# Allegro board MB1225_REVB_160222_1K.brd (continued)
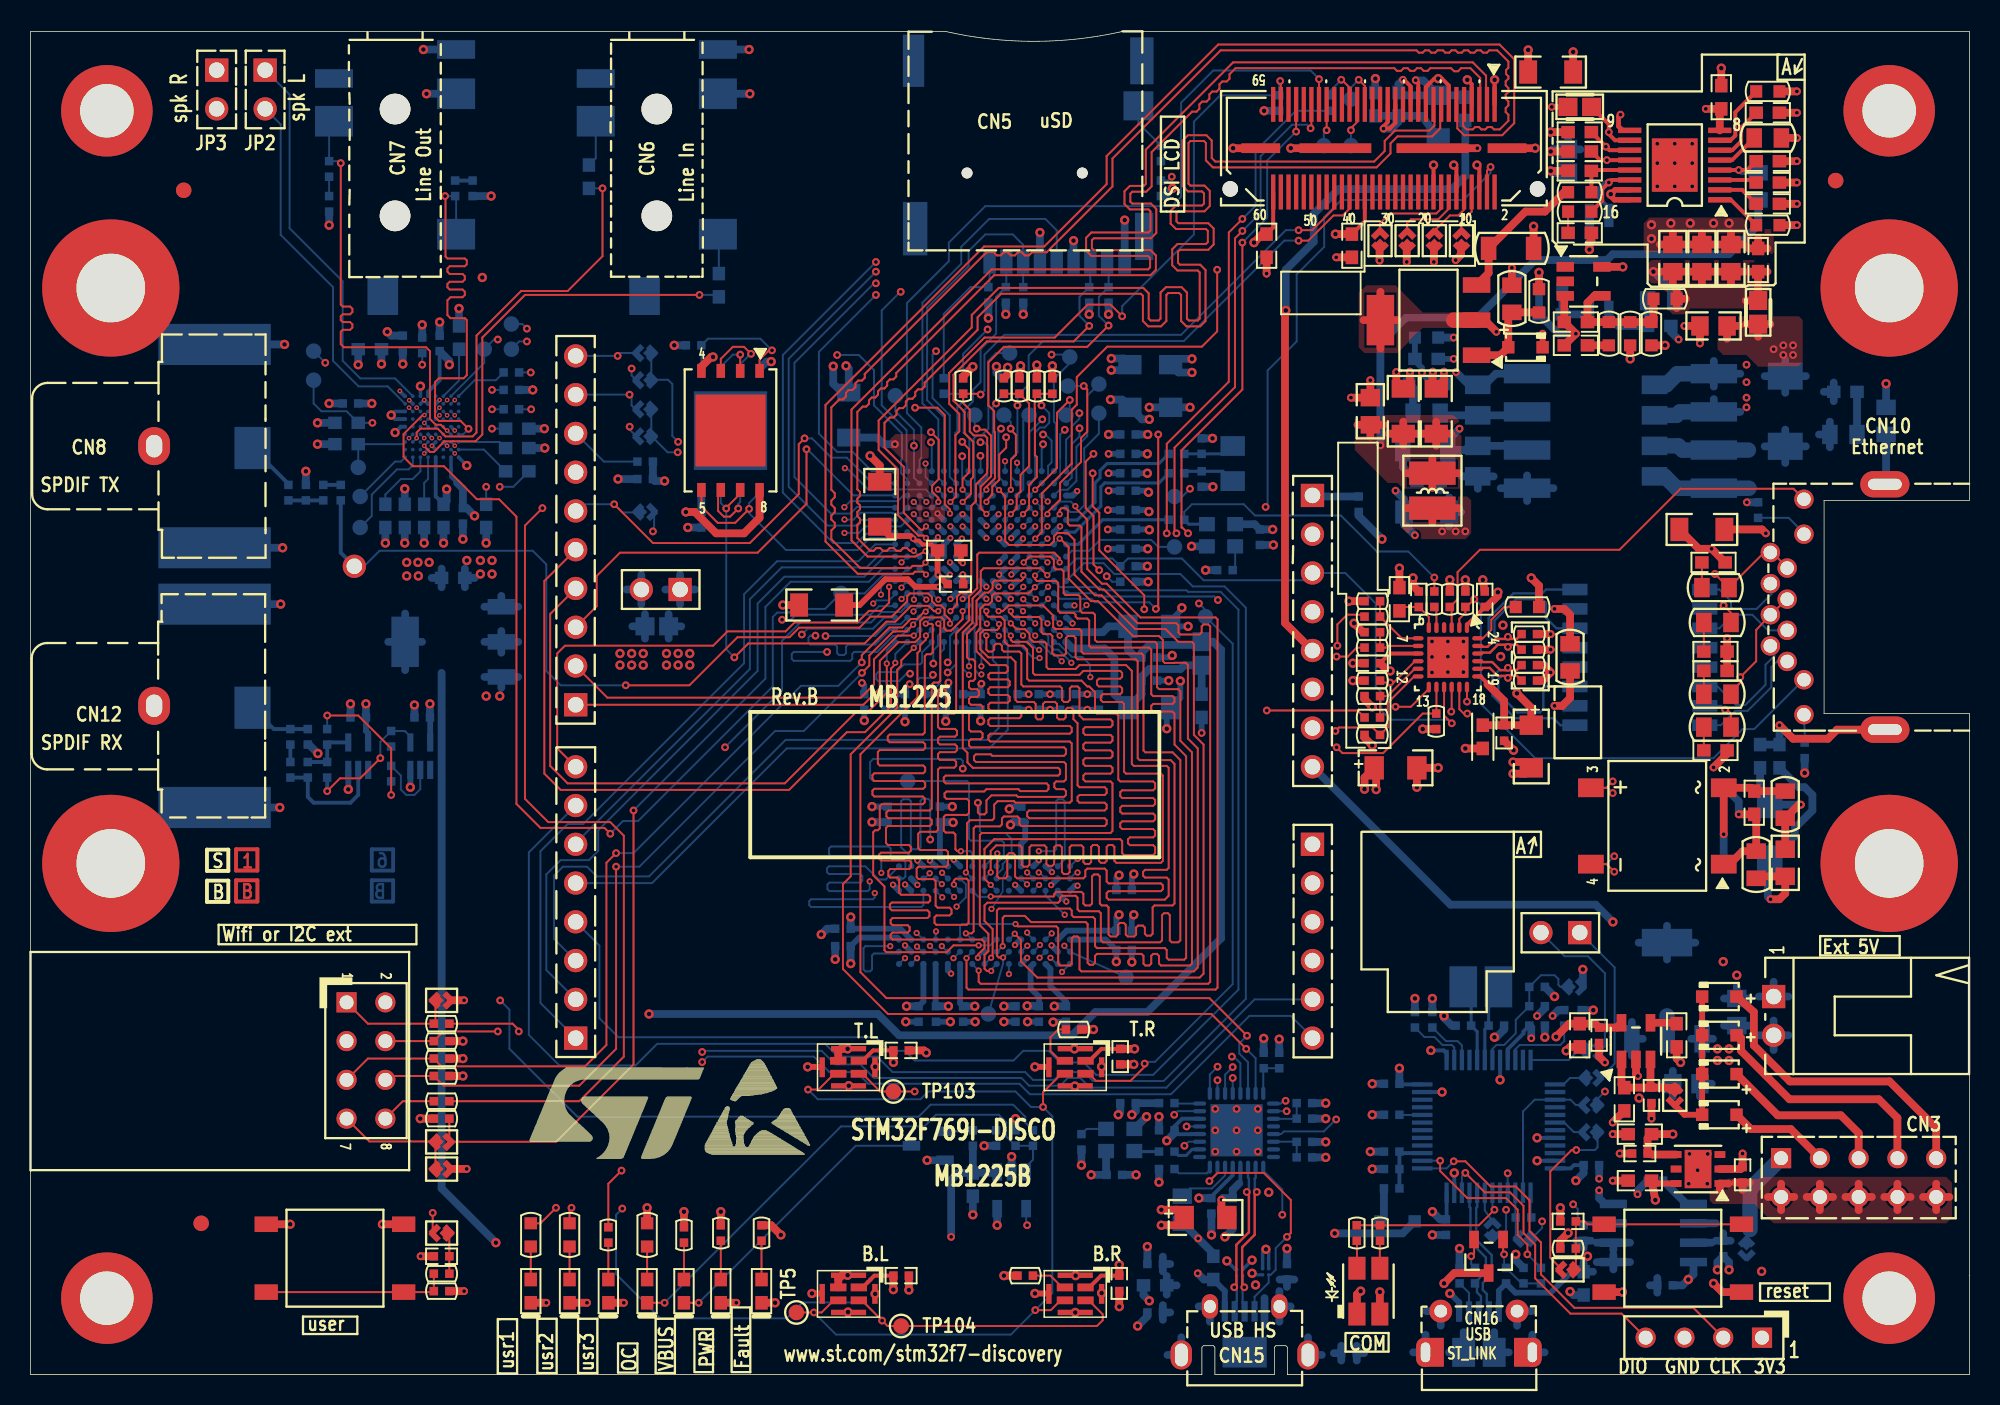
[diagram p0: board, top side]
## Routing (per net, layer and track width the routed paths; a pad name or vN(x,y) marks a point on that pad's centre or on a via; arc(x,y) is an arc through that point) (continued)
  BOTTOM w0.102: v3(62.61,56.39) 63.02,56.79 U13.D7
  BOTTOM w0.127: v2(61.98,61.98) 61.85,62.1 TP18.1
PK5: length 5.9
  TOP w0.102: 64.33,60.05 64.21,59.92 v3(64.21,57.97)
  TOP w0.127: 64.33,60.05 64.54,60.26 64.54,61.57 64.2,61.91 v2(64.2,61.98)
  BOTTOM w0.127: TP17.1 64.2,62.42 v2(64.2,61.98) ; U13.C6 v3(64.21,57.97)
PK6: length 5.6
  BOTTOM w0.127: TP16.1 65.02,62.48 65.02,57.99 U13.C5
PK7: length 8.5
  TOP w0.127: v2(68.07,63.86) 67.23,63.02 67.23,59.4 v3(65.81,57.97)
  BOTTOM w0.102: U13.C4 v3(65.81,57.97)
  BOTTOM w0.127: TP15.1 68.07,63.12 v2(68.07,63.86)
POE1: length 29.7
  TOP w0.305: v2(104.14,82.55) 104.01,82.42 104.01,81.79 104.28,81.52 U1.9
  TOP w0.508: v2(90.35,65.71) 90.35,65.02 C70.1 89.46,65.05 v2(89.46,65.68) ; v2(92.58,65.71) 92.58,65.1 C75.1 91.85,64.82 v2(91.85,65.71) ; v1(102.11,73.71) 102.11,74.17 102.23,74.3 C12.1 ; v2(87.76,65.15) C81.1 v2(86.49,64.01) ; R12.1 v1(98.81,72.21) ; R9.1 v1(98.45,75.23) ; C3.1 v1(101.04,86.66) ; C4.2 v1(110.74,85.6) ; C9.1 v1(99.57,78.87)
  BOTTOM w0.381: C24.1 v2(93.22,66.55)
  BOTTOM w0.508: v2(89.41,57.91) 89.97,57.35 C20.1 89.97,55.7 v2(90.68,54.99) ; v1(99.57,78.87) 99.71,78.73 R74.1 ; T2.1 95.98,65.57 95.25,64.85 T100.4 94.21,64.85 v2(93.37,65.68) ; v1(102.11,73.71) U10.3
POE2: length 5.8
  BOTTOM w0.508: R24.2 92.47,62.85 T100.3 97.8,62.85 T2.2
POE3: length 24.1
  TOP w0.508: 88.42,67.23 T1.4 ; T1.4 88.42,70.94 ; T1.4 89.52,69.09 ; T1.4 87.31,69.09 ; T1.2 95.25,69.09 v2(96.01,68.33)
  TOP w1.016: 93.22,69.09 T1.2
  L4_SIG w0.508: v2(93.6,61.98) 94.61,61.98 96.01,63.37 v2(96.01,68.33)
  BOTTOM w0.508: T2.3 97.75,60.85 T100.2 94.25,60.85 93.98,60.58 R23.2 92.84,61.21 v2(93.6,61.98)
POE4: length 17.8
  TOP w0.508: 90.09,56.77 L5.1 ; L5.1 91.82,55.8 ; L5.1 93.55,56.77
  BOTTOM w0.508: 92.33,57.94 C22.2 ; C22.2 92.33,59.16 ; C22.2 92.98,58.55 ; 92.13,56.52 C20.2 ; C20.2 93.7,56.52 ; C20.2 92.91,57.48 ; C20.2 92.91,55.55 ; 98.02,57.23 T2.4 ; T2.4 99.75,58.07 ; T2.4 96.3,58.07 ; T2.4 98.02,58.91 ; T100.1 95.84,58.85 ; T100.1 93.75,58.85 ; T100.1 94.79,58.04
  vias: v2(92.46,55.24) v2(93.34,55.24) v2(93.98,55.24)
POE5: length 20
  BOTTOM w0.508: 114.94,59.73 D2.1 ; D2.1 116.28,60.82 ; D2.1 113.59,60.82 ; D2.1 114.94,61.91 ; 117.86,60.76 R22.1 ; R22.1 117.14,61.59 ; R22.1 117.86,62.43
  BOTTOM w1.016: 112.56,58.07 T2.5 107.82,58.07 107.05,58.85 T100.8 ; T100.7 107.93,60.85 108.21,60.57 T2.6 112.52,60.57
POE7: length 344.3
  TOP w0.254: CN1.7 94.4,84.55 v1(94.11,84.84) ; v1(93.22,79.25) 93.4,79.07 CN1.12 ; CN1.18 v1(91.9,79.25) ; v1(94.74,79.25) 94.9,79.09 CN1.6 ; CN1.13 92.9,84.46 92.45,84.91 v1(92.2,84.91) 91.95,84.91 91.66,84.62 91.65,84.62 91.5,84.47 91.5,84.47 91.4,84.36 CN1.19
  TOP w0.279: v1(95.9,84.84) CN1.1
  TOP w0.381: U8.5 v1(51.18,5.31) ; C25.1 60.93,53.29 v3(61.06,53.16) ; U9.5 v1(65.79,5.31) ; U5.5 v1(50.9,20.16) ; U6.5 v1(65.79,20.16) ; v3(61.06,52.43) 61.09,52.4 C27.1
  TOP w0.508: U250.4 43.94,66.04 44.58,66.67 v1(44.7,66.67) ; SB2.2 v2(91.92,72.9) ; v1(104.78,66.55) R14.1 ; LD2.2 v2(36.45,4.7) ; C14.1 110.31,74.04 ; C14.1 108.64,74.04 ; C14.1 109.47,74.82 ; CN1.62 v2(94.77,80.35) ; C29.1 90.55,51.69 v1(90.55,52.2) ; C13.1 108.41,74.04 ; C13.1 106.73,74.04 ; C13.1 107.57,74.82 ; R21.1 v1(66.93,66.09) ; U5.2 52.9,21.15 53.09,21.34 v1(53.52,21.34) ; B2.2 110.81,5.4 v1(110.24,5.97) ; LD1.2 v2(33.78,4.7) ; v1(98.3,52.2) 98.81,51.69 R31.2 ; C51.1 v2(103.63,12.7) ; C55.2 v1(57.53,5.54) ; R18.1 64,65.53 v1(64,65.99) ; v1(58.67,21.08) 58.52,21.23 C44.2 ; C35.1 97.14,40.91 v1(97.14,40.9) ; R28.1 v1(92.96,52.07) ; CN1.64 v1(78.77,80.35) ; SB8.1 v2(28.57,13.47) ; v2(103.12,20.45) 102.74,20.83 102.74,21.72 ; C56.2 v1(71.31,4.45) ; R15.1 v1(107.06,67.44) ; C3.2 v1(98.09,86.79) ; v1(89.66,52.83) C28.1 ; C30.1 v1(95.12,52.07) ; v1(87.12,5.46) 87.1,5.46 86.88,5.24 LD8.1 ; R40.1 v1(86.61,45.47) ; SB5.1 v2(28.4,24.52) ; LD6.2 v2(46.23,4.7) ; U8.2 52.9,6.24 53.16,6.5 v1(53.52,6.5) ; C48.1 v2(103.63,15.75) ; CN1.63 v1(82.55,80.35) ; C15.1 111.38,74.82 ; C15.1 110.54,74.04 ; C15.1 112.22,74.04 ; v1(97.1,40.13) 97.92,40.13 C36.2 97.92,39.37 v1(97.1,39.37) ; C16.1 113.77,73.79 ; C16.1 113.16,74.44 ; C16.1 112.55,73.79 ; SB1.2 93.7,73.38 v2(93.34,73.03) ; CN1.61 v1(98.55,80.35) ; v1(100.58,21.21) 100.84,21.46 C41.2 ; v1(92.2,39.75) C38.2 v1(90.81,38.48) ; v2(112.14,14.48) C50.1 112.01,13.46 U7.2 ; R70.1 v2(28.4,5.46) ; R29.1 v1(93.98,52.07) ; v2(85.52,73.2) C1.1 ; v2(109.35,67.56) C18.1 v2(108.33,68.71) ; v1(74.07,10.79) 75.06,10.79 C52.1 75.06,9.78 v1(74.07,9.78) ; v2(105.28,19.56) 105.16,19.68 U4.2 ; C46.1 v2(106.17,16.76) ; C43.1 107.82,20.7 v1(108.08,20.45) ; C49.1 v2(104.09,14.48) ; C54.1 v2(25.55,7.75) ; B2.3 v1(104.27,5.4) ; C23.1 55.63,59.56 v1(54.99,60.2) ; SB4.2 v2(88.36,72.99) ; LD3.2 v2(38.86,4.7) ; C2.1 v2(80.96,72.14) ; C31.1 v1(49.28,50.42) ; U2.5 v1(104.29,72.58) ; C53.1 v1(100.2,10.92) ; SB3.2 v2(90.14,72.9) ; C33.1 v1(86.61,46.61) ; C47.1 v2(103.63,16.51) ; C45.2 v1(72.26,20.32)
  BOTTOM w0.229: D12.B1 80.7,7.99 v1(80.92,8.2) 81.1,8.02 D12.B2 ; D13.B2 v1(80.01,7.49) ; v4(26.79,63.85) 26.67,63.73 26.67,63.73 U11.E2 ; U11.H9 28.04,60.1 v1(28.57,59.56) ; U11.E8 26.29,60.85 v4(26.29,60.85) U11.E7 ; v1(23.62,62.87) 23.86,63.1 U11.A3 ; U11.F7 v4(27.29,60.85) ; D13.B1 78.92,6.88 v1(78.36,7.44) ; U11.D6 v4(26.29,61.36) ; U11.G5 v4(27.79,61.86) ; U11.C1 v1(25.54,64.76)
  BOTTOM w0.254: v4(24.19,64.45) 24.19,64.43 24.51,64.1 U11.A1 ; U19.8 v1(96.25,19.3) ; U19.20 v1(98.68,15.51) ; v1(23.88,61.72) 24.26,62.1 U11.A5 ; v1(23.62,62.87) 23.88,62.6 U11.A4 ; U19.23 v1(98.68,14.01) ; U19.47 v1(92.46,18.51) ; U19.35 v1(93.25,13.21)
  BOTTOM w0.381: v3(62.61,54.81) U13.F8 ; v3(67.44,55.58) 67.41,55.58 U13.F2 ; v1(75.82,49.02) C101.2 74.68,49.4 75.41,50.14 v1(75.41,50.24) ; C136.1 v1(61.87,23.11) ; U13.F7 v3(63.41,55.57) ; U13.J10 60.63,52.81 v3(60.22,53.21) ; C107.1 v2(66.78,43.56) C106.1 ; v3(65.28,27.3) 64.88,26.91 U17.L9 ; v1(73.18,54.1) C99.1 ; U13.N1 67.88,49.59 68.25,49.23 v3(68.25,49.22) ; U13.G12 59.44,54.8 v3(59.44,54.86) ; v3(64.49,32.08) 64.49,32.09 U17.L3 ; v1(72.26,32.79) 72.26,32.69 72.14,32.56 C126.1 ; U13.L6 v3(64.21,50.82) ; v3(58.9,33.68) U17.D1 ; U13.F9 v3(61.05,55.57) ; U17.E9 60.08,26.48 v3(60.3,26.26) ; v3(68.58,32.03) 68.41,32.03 U17.R3 ; v1(92.96,5.31) 92.99,5.31 93.57,4.73 CN16.5 ; v3(56.49,32.09) U17.A3 ; C114.1 C113.1 v1(57.28,42.77) ; v3(66.04,33.71) 66.04,33.66 U17.M1 ; v1(74.42,42.32) 74.42,43.43 C116.2 75.31,44.32 v1(75.31,45.44) ; v3(66.88,28.12) 67.07,27.93 67.07,27.91 U17.P8 ; v1(74.78,47.12) 74.78,47.09 74.68,46.99 73.79,46.99 ; C138.1 v1(57.33,23.11) ; C110.1 C109.1 v1(62.23,42.82) ; U13.M1 v3(68.38,50.39) ; v1(72.26,30.12) 72.14,30 C128.1 ; v1(59.94,42.8) C111.1 C112.1 ; C97.1 73.25,55.37 v1(73.28,55.35) ; U13.K6 63.45,52.38 v3(63.45,52.42) 63.82,52.79 U13.J6 ; U15.3 v1(24.88,38.48) ; v1(65.3,23.11) C134.1 ; v1(60.38,37.21) C124.1 ; U17.P3 67.28,31.55 v3(67.84,30.99) ; C86.1 73.13,57.91 v1(73.23,57.81) ; 73.79,45.47 v1(74.55,45.47) ; U13.K10 v3(61.06,52.43) 61.43,52.06 U13.K9 ; U17.N1 66.52,33.3 v3(66.9,32.92) ; U17.F1 60.88,33.3 60.45,33.73 v3(60.48,33.73) ; U17.B3 v3(57.28,32.11) ; C88.1 73.15,56.64 v1(73.25,56.54) ; U17.B8 57.28,28.11 v3(57.28,28.12) ; U16.3 v1(20.81,38.34) ; C123.1 64.26,37.21 v1(64.11,37.06) ; v1(66.98,23.09) 67.01,23.11 C133.1 ; C104.1 v2(69.22,43.56) C105.1 ; U13.G6 v3(63.45,54.77) ; U17.C1 58.09,33.69 v3(58.09,33.68) ; C83.1 v1(73.15,59.05) ; U13.H10 v3(61.06,53.16) ; U13.F6 v3(64.21,55.57) ; C115.1 v1(54.61,42.85) ; U13.G10 v3(61.01,54.77) ; U13.K8 v3(62.61,51.62) ; C135.1 v1(63.75,23.11) ; v1(55.12,37.21) C125.1 ; v2(65.38,43.56) C108.1 ; U13.F10 v3(60.25,55.57) ; C137.1 v1(60.25,23.11) ; C131.1 v1(72.14,27.03) ; C80.1 v1(73.15,60.33) ; U13.K7 v3(63.41,51.62) ; v3(63.45,53.22) U13.H6
  BOTTOM w0.508: C141.1 96.52,22.61 96.01,22.1 v1(95.89,22.1) ; R131.2 v1(62.46,14.99) ; C76.1 v1(73.17,61.59) ; 28.45,51.59 C100.1 ; C100.1 29.1,52.2 ; C100.1 28.45,52.81 ; U18.1 110.2,22 ; U18.1 108.78,22 ; U18.1 109.49,20.89 ; U18.1 109.49,23.1 ; 98.32,4.15 CN16.8 97.37,3.2 ; v1(53.42,66.09) 53.59,65.91 C72.1 53.16,64.34 52.58,64.92 v1(52.58,66.07) ; CN6.3 v1(47.12,83.92) ; CN16.11 CN16.10 ; CN16.11 93.87,2.78 ; CN16.11 92.91,1.45 ; CN16.10 95.87,2.78 ; CN16.10 96.83,1.45 ; v1(48.51,66.37) 48.21,66.37 47.75,65.91 U12.4 ; R121.1 v1(91.82,24.64) ; C140.2 v1(99.19,22.1) ; C157.1 86.87,1.88 ; C157.1 87.35,1.4 ; C157.1 86.87,0.91 ; C66.2 107.44,68.33 v2(107.95,67.82) ; 83.95,15.24 v1(84.84,15.24) ; CN6.2 v1(47.06,86.82) ; v1(73.28,4.83) 72.9,5.21 L8.1 ; C91.2 v1(28.32,54.74) ; v1(70.79,65.81) 71.65,65.81 C69.2 71.6,66.57 v1(70.79,66.57) ; C132.1 v1(99.82,24.77) ; R105.1 v2(112.42,57.15) ; 92.37,3.2 CN16.9 91.42,4.15 ; v1(92.58,23.5) 92.58,23.37 93.09,22.86 C142.1 ; 111.98,63.07 T2.7 110.26,63.91 ; C84.1 v1(77.44,58.17) ; R113.1 v1(116.2,39.42) ; U14.1 30.84,51.02 ; U14.1 29.73,50.31 ; U14.1 31.94,50.31 ; C64.2 v1(26.8,68.96) ; 32.64,61.98 v1(33.66,61.98) ; 121.54,63.37 v1(121.54,64.92) ; JP1.2 115.14,22.23 ; JP1.2 114.17,21.26 ; JP1.2 114.17,23.19 ; JP1.2 113.21,22.23 ; R78.2 v1(19.56,75.31) ; R119.1 v1(102.36,23.88) ; v1(72.52,3.17) 73.15,3.81 C156.1 ; C155.1 101.07,5.21 v1(100.84,5.44) ; v1(20.95,43.94) C118.1 ; v1(51.79,28.83) 52.17,29.21 C127.1 ; C65.2 23.62,68.07 v1(23.37,68.33) ; C144.2 71.37,17.14 v1(71.25,17.02) ; C92.2 v1(27.05,54.48) ; C95.1 v1(23.24,54.48) ; v2(105.26,11.81) 105.26,12.04 R140.2 ; C67.1 v1(21.46,66.17) ; v1(76.05,54.27) X2.2 ; v1(73.1,16.89) X4.2 ; v1(81.41,54.36) C98.1 ; U22.4 103.12,11.18 102.74,11.56 v2(102.74,12.06) ; 99.17,1.45 CN16.6 98.37,2.61 ; v1(76.07,66.55) 75.06,66.55 C68.2 75.18,65.66 v1(76.07,65.66) ; R146.1 97.28,7.49 v1(97.28,7.87) ; C148.2 v1(61.72,10.46) ; R77.2 v1(30.17,77.22) ; C93.2 v1(25.78,54.48) ; 110.26,64.73 T2.8 ; T2.8 111.98,65.57 ; T2.8 110.26,66.41 ; C90.2 v1(29.84,54.48) ; C63.1 v1(28.07,69.85) ; 109.35,18.21 C129.1 ; C129.1 110.12,19.05 ; C129.1 109.35,19.89 ; U21.2 v1(64.26,14.27) ; CN7.2 v1(25.73,86.82) ; R149.1 v1(93.6,8.26) ; CN8.3 v1(16.64,67.49) ; CN5.9 v1(71.67,75.64) ; CN8.2 v1(16.51,54.17) ; 111.76,22.08 C139.1 ; C139.1 112.6,22.86 ; C139.1 110.92,22.86 ; v1(18.82,40.69) 18.24,41.27 R111.1 ; v1(78.23,9.02) 78.74,9.53 C149.1 ; CN12.2 v1(16.33,37.15) ; R127.1 v1(87.88,17.02) ; R124.1 v1(80.77,22.02) ; C147.2 v1(72.42,13.08) ; v1(88.09,84.91) 88.07,84.9 L3.1 ; C146.1 v2(102.74,12.83) ; 91.37,2.61 CN16.7 90.57,1.45 ; CN12.3 16.38,50.48 v1(16.38,50.48) ; v1(73.2,51.94) R108.1 ; SB16.1 v1(101.68,26.54) ; C94.2 v1(24.51,54.48) ; T5.2 v1(58.72,14.04) ; CN7.3 v1(25.94,83.92) ; C79.1 v1(18.8,60.96) ; C150.2 77.35,10.53 v1(77.35,9.14) ; C145.1 v1(73.91,16.89) ; C71.2 v1(19.56,63.63) ; R122.1 v1(90.68,24.64) ; R135.1 v1(87.76,14.61) ; 43.94,55.5 v1(43.05,55.5) ; C77.1 v1(77.42,61.34) ; v1(110.49,6.86) 110.49,7.37 C152.1 111.25,7.37 v1(111.25,6.86) ; C154.1 v1(82.3,8.26) ; C151.1 v1(91.82,9.14) ; R139.2 v1(73.91,12.6) ; 32.64,60.71 v1(33.68,60.71) ; C73.1 v1(18.8,62.36) ; C85.1 v1(38.48,58.67) ; C143.1 v1(87.88,19.05) ; R102.2 v1(18.03,59.18) ; C153.1 v1(73.15,8.38) ; CN5.6 v1(68.32,74.3) ; 83.95,16.76 v1(84.84,16.76) ; v1(52.7,27.2) C130.1 ; C117.1 v1(25.15,43.87)
  BOTTOM w1.016: T100.6 107.81,62.85 108.03,63.07 T2.7 ; T100.5 107.14,64.85 107.86,65.57 T2.8
  vias: v1(28.57,53.34) v1(29.46,53.34) v1(29.46,52.45) v1(30.23,53.34) v1(30.23,52.45) v1(53.54,4.09) v1(53.59,18.92) v1(55.32,20.17) v1(55.32,5.28) v1(68.38,21.34) v1(68.4,18.9) v1(68.43,4.06) v1(68.45,6.48) v1(70.15,20.17) v1(70.15,5.33) v1(80.24,5.87) v1(81.1,11.94) v1(96.29,47.04) v1(96.44,49.1) v1(106.17,75.34) v1(106.17,74.42) v1(107.44,75.44) v1(108.71,75.44) v1(110.24,75.44) v1(110.49,21.34) v1(110.49,20.57) v1(111.25,75.44) v1(111.25,21.34) v1(111.25,20.57) v2(77.6,17.4) v2(77.6,16) v2(77.6,14.61) v2(78.99,17.4) v2(78.99,16) v2(78.99,14.61) v2(80.39,17.4) v2(80.39,16) v2(80.39,14.61) v2(91.8,48.03) v2(91.8,47.02) v2(91.8,46) v2(92.84,48.03) v2(92.84,47.04) v2(92.84,46.02) v2(93.85,48.03) v2(93.85,47.02) v2(93.85,46.02) v2(108.61,12.5) v2(108.66,14.45) v2(109.19,13.39) v2(109.83,12.5) v2(109.86,14.45) v2(112.39,66.17) v2(112.39,65.02) v2(112.39,64.01) v2(112.39,63.37)
PWR_ENN: length 10.6
  L4_SIG w0.102: v2(101.04,11.15) 100.76,11.43 97.54,11.43 96.75,12.21 v2(96.75,13.19)
  BOTTOM w0.127: R144.1 101.35,10.16 101.35,10.85 v2(101.04,11.15) ; U19.28 v2(96.75,13.19)
  BOTTOM w0.254: U22.3 101.85,9.91 R144.1
PWR_EXT: length 3.9
  BOTTOM w0.254: R141.1 R138.1 R135.2 89.76,14.51 U19.39
RD_N: length 12.5
  TOP w0.155: R37.2 97.35,47.82 96.91,47.82 v2(96.77,47.68) 96.63,47.82 96.11,47.82 95.59,47.3 95.12,47.3 95.06,47.24 U3.22
  BOTTOM w0.155: T4.8 99.26,51.44 99.01,51.18 97.12,51.18 95.5,49.56 95.5,48.39 96.08,47.82 96.63,47.82 v2(96.77,47.68)
RD_P: length 12.5
  TOP w0.155: R35.2 97.35,48.2 96.91,48.2 v2(96.77,48.34) 96.63,48.2 95.95,48.2 95.43,47.68 95.12,47.68 95.06,47.74 U3.23
  BOTTOM w0.155: v2(96.77,48.34) 96.63,48.2 96.23,48.2 95.89,48.54 95.89,49.4 97.28,50.8 99.01,50.8 99.26,50.55 99.26,49.58 99.95,48.9 T4.6
REFSEL0: length 2.7
  BOTTOM w0.127: U20.8 80.74,20.04 R124.2 R123.1
REFSEL1: length 2.5
  BOTTOM w0.127: R125.1 R128.2 82.92,16.75 U20.11
REFSEL2: length 2.5
  BOTTOM w0.127: U20.14 82.92,15.25 R133.2 R137.1
SCLK_MCLK: length 3.3
  TOP w0.127: v2(87,84.84) 87.4,84.44 CN1.35
  BOTTOM w0.127: TP1.1 86.49,84.33 v2(87,84.84)
STLINK_RX: length 2.2
  BOTTOM w0.127: U19.13 100.41,19.01 100.84,19.43 101.8,19.43 SB18.2
STLINK_TX: length 3.8
  BOTTOM w0.127: SB17.2 101.32,21.18 100.74,20.61 U19.12
STM_JTCK: length 27.1
  TOP w0.127: 110.87,2.41 108.92,4.37 101.12,4.37 98.93,6.55 98.93,8.65 98.18,9.41 98.18,11.42 97.28,12.32 95.63,12.32 93.98,13.97 v2(93.22,13.97)
  BOTTOM w0.127: v2(93.22,13.97) 92.75,13.51 U19.37
STM_JTMS: length 20
  TOP w0.127: 105.79,2.41 104.22,3.99 100.86,3.99 98.55,6.3 98.55,8.51 97.79,9.27 97.79,11.05 96.9,11.94 95.25,11.94 v2(93.98,13.21)
  BOTTOM w0.127: U19.34 93.75,12.98 v2(93.98,13.21)
STM_RST: length 9.5
  BOTTOM w0.127: SB16.2 100.66,25.4 100.2,25.4 100.08,25.53 100.08,25.91 99.82,26.16 98.93,26.16 C132.2 R118.1 97.28,23.24 97.28,22.35 96.52,21.59 96.01,21.59 95.75,21.33 U19.7
SWO: length 95.1
  L4_SIG w0.102: v2(96.65,10.79) 99.11,10.79 99.69,10.21 101.17,10.21 101.83,10.87 101.83,15.09 101.52,15.39 101.52,23.83 94.84,30.51 94.84,43.99 94.28,44.55 91.67,44.55 90.81,45.42 90.81,49.5 87,53.31 87,57.61 84.73,59.87 83.64,59.87 78.74,64.77 69.98,64.77 66.27,68.48 v2(62.69,68.48)
  BOTTOM w0.127: v2(96.65,10.79) 96.65,9.47 96.22,9.05 SB21.2 ; v2(62.69,68.48) 61.09,66.88 R92.1
T_JTCK: length 9.7
  BOTTOM w0.127: SB19.1 101.21,17.66 100.87,18.01 U19.15 98.52,18.01 97.75,17.24 U19.26
T_JTMS: length 3.2
  BOTTOM w0.127: U19.27 97.25,10.31 R143.1 97.28,8.76
T_NRST: length 2.1
  BOTTOM w0.127: U19.18 100.46,16.51 101.08,15.88 SB20.1
T_SWDIO_IN: length 1.6
  BOTTOM w0.127: U19.25 98.25,10.33 R143.2
T_SWO: length 2
  BOTTOM w0.127: SB21.1 95.25,10.75 U19.31
TD_N: length 12.1
  TOP w0.155: U3.20 95.06,46.24 95.12,46.3 95.58,46.3 96.11,45.77 96.64,45.77 v2(96.77,45.64) 96.91,45.78 97.35,45.78 R41.2
  BOTTOM w0.155: T4.3 99.26,45.09 99.09,44.91 99.09,43.61 98.86,43.38 97.39,43.38 96.14,44.63 96.14,45.56 96.36,45.78 96.63,45.78 v2(96.77,45.64)
TD_P: length 12.1
  TOP w0.155: R39.2 97.35,46.16 96.91,46.16 v2(96.77,46.3) 96.62,46.15 96.27,46.15 95.74,46.68 95.06,46.68 95,46.74 U3.21
  BOTTOM w0.155: T4.1 100.2,42.55 99.75,43 97.23,43 95.76,44.48 95.76,45.72 96.2,46.16 96.63,46.16 v2(96.77,46.3)
USB_HS_N: length 10.9
  TOP w0.155: v2(79.66,11.96) 79.8,11.82 79.8,9.32 78.98,8.5 78.98,5.85 v2(78.84,5.71)
  BOTTOM w0.155: v2(79.66,11.96) 79.8,12.1 79.8,12.84 79.74,12.9 U20.19 ; D13.A1 79.01,6.47 79.01,5.88 v2(78.84,5.71) 79.01,5.55 79.01,4.83 78.87,4.7 CN15.2
USB_HS_P: length 10.9
  TOP w0.155: v2(80.32,11.96) 80.18,11.82 80.18,9.16 79.36,8.34 79.36,5.85 v2(79.5,5.71)
  BOTTOM w0.155: CN15.3 79.52,4.56 79.39,4.7 79.39,5.6 v2(79.5,5.71) 79.39,5.83 79.39,6.47 D13.A2 ; v2(80.32,11.96) 80.18,12.1 80.18,12.84 80.24,12.9 U20.18
USB_RENUMN: length 12.4
  TOP w0.127: v2(92.33,14.01) 92.33,13.34 94.11,11.56 96.65,11.56 97.41,10.79 97.41,9.14 98.04,8.51 v2(98.04,7.87)
  BOTTOM w0.127: U19.38 v2(92.33,14.01) ; v2(98.04,7.87) R145.2
USB_STLK_N: length 8.6
  BOTTOM w0.155: U19.32 94.75,10.98 94.69,10.92 94.69,8.84 95.71,7.82 95.71,6.58 95.12,5.99 95.12,5.54 95.38,5.28 95.38,4.8 95.52,4.67 CN16.2
USB_STLK_P: length 8.7
  BOTTOM w0.155: CN16.3 94.87,4.67 95,4.8 95,5.12 94.74,5.38 94.74,5.74 94.61,5.87 R148.1 94.61,6.03 95.33,6.74 95.33,7.67 94.31,8.68 94.31,10.92 94.25,10.98 U19.33
USD_D2: length 9.6
  BOTTOM w0.127: CN5.1 62.82,71.32 R83.1 61.57,71.25 59.82,69.49 R93.1
VREF+: length 112.6
  L4_SIG w0.508: v1(40.51,23.62) 40.51,34.16 37.47,37.21 37.47,54.86 41.15,58.55 v1(41.53,58.55)
  BOTTOM w0.508: U13.P1 67.98,48.64 70.23,48.64 70.61,49.02 C101.1 71.88,47.5 72.39,46.99 C102.2 72.77,47.29 73.28,47.8 76.49,47.8 R110.2 77.46,48.02 77.98,47.5 77.98,28.57 73.15,23.75 69.75,23.75 68.22,22.23 56.9,22.23 55.5,23.62 v1(40.51,23.62) ; v1(41.53,58.55) 40.89,58.55 C85.2 R98.2

## Copper pours and planes (outline as drawn; the poured copper is in the pictures)
1V8 on BOTTOM: 27.92,49.05 32.08,49.05 32.36,48.78 32.36,47.16 32.16,46.97 28.31,46.97 27.07,45.72 23.34,45.72 23.04,46.03 23.04,52.81 23.89,53.66 27.03,53.66 27.44,53.25 27.44,49.53
1V8 on L3_VCC: 17.35,49.72 15.68,51.39 15.68,73.45 16.33,74.1 30.91,74.1 31.56,73.45 31.56,65.86 31.16,65.47 27.26,65.47 26.86,65.86 26.86,69.93 26.37,70.42 22.27,70.42 21.65,69.8 21.65,61.77 22.53,60.9 25.96,60.9 26.35,60.5 26.35,57.45 26.97,56.83 31.29,56.83 31.69,56.44 31.69,50.62 30.78,49.72
3V3 on BOTTOM: 29.21,46.48 32.26,46.48 32.51,46.23 32.51,43.81 32.26,43.56 29.46,43.56 28.96,44.07 28.96,46.23
3V3 on BOTTOM: 37.72,52.96 40.51,52.96 40.77,52.7 40.77,46.23 40.51,45.97 37.72,45.97 37.47,46.23 37.47,52.7
3V3 on L3_VCC: 0.51,0.51 0.51,87.49 59.89,87.49 65.72,86.85 71.56,87.49 126.49,87.49 126.49,57.78 116.97,57.78 116.97,42.8 126.49,42.8 126.49,36.83 88.24,36.83 87,38.08 87,48.24 86.21,49.02 78.99,49.02 78.99,50.52 77.7,51.82 72.75,51.82 72.26,52.3 72.26,61.36 72.62,61.72 76.81,61.72 77.47,62.38 77.47,65 76.94,65.53 45.74,65.53 44.07,63.86 44.07,54.21 43.07,53.21 41.68,53.21 40.89,52.43 40.89,41.8 42.31,40.39 78.49,40.39 78.49,30.5 79.9,29.08 106.96,29.08 109.47,26.56 109.47,15.6 109.11,15.24 106.45,15.24 105.66,14.46 105.66,7.49 100.05,7.49 99.19,8.36 99.19,11.2 99.67,11.68 101.58,11.68 102.11,12.21 102.11,23.47 100.94,24.64 87.4,24.64 86.36,23.6 86.36,0.51 82.83,0.51 82.83,2 82.43,2.39 81.36,2.39 80.97,2 80.97,0.51 78.08,0.51 78.08,2 77.68,2.39 76.61,2.39 76.21,2 76.21,0.51 ; 2 cut-outs
3V3_ST_LINK on L3_VCC: 86.87,0.51 86.87,23.39 87.61,24.13 100.73,24.13 101.6,23.26 101.6,12.42 101.37,12.19 99.46,12.19 98.68,11.41 98.68,8.15 99.84,6.99 114.19,6.99 115.95,5.23 115.95,0.51
5V on TOP: 125.86,12.57 125.86,10.29 125.48,9.91 114.17,9.91 112.9,11.18 110.21,11.18 109.98,11.4 109.98,12.57 110.24,12.83 113.16,12.83 113.28,12.95 125.48,12.95
5V on L3_VCC: 116.46,0.51 116.46,5.44 114.41,7.49 106.17,7.49 106.17,14.25 106.66,14.73 109.33,14.73 109.98,15.39 109.98,26.78 107.17,29.59 80.12,29.59 78.99,30.71 78.99,48.51 86,48.51 86.49,48.03 86.49,37.87 88.03,36.32 126.49,36.32 126.49,0.51
5V_POE on TOP: 113.67,73.03 113.92,72.77 113.92,70.1 113.67,69.85 108.71,69.85 108.33,69.47 107.57,69.47 107.19,69.85 107.19,70.87 106.55,71.5 106.17,71.5 105.92,71.75 105.92,72.77 106.17,73.03
5V_ST_LINK on BOTTOM (solid shape): 112.98,8.58 112.71,8.31 112.65,8.37 112.39,8.12 112.14,8.37 112.08,8.31 111.81,8.58 112.35,9.12 112.39,9.07 112.44,9.12
5V_ST_LINK on BOTTOM: 110.11,8.38 110.11,10.16 110.24,10.29 113.03,10.29 113.16,10.16 113.16,8.76 113.03,8.64 111.65,8.64 111.4,8.38
5V_USB_CHARGER on BOTTOM (solid shape): 113.01,7.93 112.47,7.39 112.39,7.46 112.33,7.39 111.79,7.93 112.06,8.2 112.39,7.87 112.73,8.21
5V_USB_CHARGER on BOTTOM: 106.55,9.14 106.81,8.89 106.81,5.33 111.25,5.33 111.89,5.97 111.89,7.49 112.06,7.67 112.4,7.33 112.95,7.87 113.41,7.87 113.67,7.62 113.67,4.83 112.78,3.94 104.78,3.94 104.39,4.32 104.39,6.1 104.14,6.35 100.84,6.35 100.58,6.6 100.58,8.89 100.84,9.14
AGND on BOTTOM: 116.71,75.18 116.08,74.55 114.81,74.55 114.3,75.06 114.3,80.26 113.41,81.15 105.66,81.15 105.41,80.9 105.41,77.22 105.16,76.96 103.38,76.96 103.12,77.22 103.12,78.49 102.62,78.49 101.6,79.5 99.44,79.5 99.06,79.88 99.06,83.57 99.44,83.95 116.2,83.95 116.71,83.44
VDD on BOTTOM: 41.66,52.7 44.7,52.7 45.09,52.32 45.09,46.23 44.83,45.97 41.53,45.97 41.27,46.23 41.27,52.32
VDD on L3_VCC: 42.52,40.89 41.4,42.02 41.4,52.22 41.89,52.7 43.29,52.7 44.58,54 44.58,63.65 45.95,65.02 76.73,65.02 76.96,64.79 76.96,62.59 76.6,62.23 72.41,62.23 71.75,61.57 71.75,52.09 72.54,51.31 77.49,51.31 78.49,50.31 78.49,40.89
VIN on BOTTOM: 104.01,23.57 104.14,23.7 105.94,23.7 106.05,23.6 106.05,20.7 106.43,20.32 107.95,20.32 108.08,20.19 108.08,16 107.95,15.88 104.37,15.88 104.08,16.17 104.08,16.95 104.01,17.02
ARD_A4 on BOTTOM (solid shape): 40.21,61.81 39.87,61.47 40.21,61.14 39.93,60.85 39.39,61.39 39.47,61.47 39.4,61.54 39.94,62.08
ARD_A5 on BOTTOM (solid shape): 40.21,65.49 39.87,65.16 40.21,64.82 39.93,64.54 39.39,65.08 39.47,65.15 39.4,65.22 39.94,65.76
ARD_D13 on BOTTOM (solid shape): 40.21,56.83 40.14,56.77 40.4,56.52 40.14,56.26 40.21,56.2 39.94,55.93 39.4,56.47 39.44,56.52 39.4,56.56 39.94,57.1
ARD_D14 on BOTTOM (solid shape): 40.21,63.58 39.87,63.25 40.21,62.91 39.93,62.63 39.39,63.17 39.47,63.25 39.4,63.31 39.94,63.85
ARD_D15 on BOTTOM (solid shape): 40.21,67.27 39.87,66.94 40.21,66.6 39.93,66.31 39.39,66.85 39.47,66.93 39.4,67 39.94,67.54
E5V on BOTTOM: 105.28,29.84 115.57,29.84 116.2,29.21 116.2,24.13 115.95,23.88 110.36,23.88 109.91,24.33 108.05,24.33 107.7,23.98 107.7,23.27 106.71,23.27 106.71,23.98 105.03,25.65 105.03,29.59
NETB2_1 on TOP (solid shape): 101.57,6.9 101.53,6.86 101.57,6.81 101.03,6.28 100.76,6.55 100.83,6.61 100.57,6.86 100.83,7.11 100.76,7.17 101.03,7.44
NETC4_1 on L4_SIG: 106.17,84.96 116.2,84.96 116.59,84.58 116.59,79.63 115.82,78.87 115.06,78.87 114.05,79.88 110.24,79.88 109.98,79.63 109.98,76.83 109.6,76.45 106.17,76.45 105.66,76.96 105.66,84.45
NETC18_2 on TOP: 112.39,66.8 110.87,66.8 110.49,67.18 110.49,69.34 115.82,69.34 116.08,69.09 116.08,66.29 115.82,66.04 113.16,66.04
NETC18_2 on BOTTOM: 113.67,63.37 113.28,63.75 113.28,67.56 113.54,67.82 117.22,67.82 118.36,66.67 118.36,63.63 118.11,63.37
NETC40_2 on TOP: 87,62.87 93.22,62.87 93.73,62.36 93.73,58.04 93.6,57.91 90.04,57.91 89.53,58.42 88.9,58.42 86.74,60.58 86.74,62.61
NETC46_2 on TOP (solid shape): 108.28,18.61 108.01,18.34 107.95,18.4 107.7,18.15 107.44,18.4 107.38,18.34 107.11,18.61 107.65,19.15 107.7,19.11 107.74,19.15
NETC54_2 on TOP (solid shape): 27.79,9.31 27.75,9.27 27.79,9.22 27.25,8.68 26.98,8.95 27.04,9.01 26.79,9.27 27.04,9.52 26.98,9.58 27.25,9.85
NETC72_2 on TOP: 59.66,55.83 58.27,55.83 57.4,56.69 57.4,59.64 56.31,60.73 56.31,61.29 56.64,61.62 58.52,61.62 58.85,61.29 58.83,60.12 58.83,57.73 59.89,56.67 59.89,56.06
NETC153_2 on BOTTOM: 73.79,8 73.79,1.02 74.25,0.55 76.13,0.55 76.2,0.62 76.2,2.01 76.6,2.42 77.7,2.42 78.1,2.01 78.1,0.52 80.94,0.52 80.96,0.53 80.96,2.01 81.36,2.41 82.46,2.41 82.88,1.99 82.88,0.52 85.99,0.52 86.11,0.64 86.11,2.29 85.6,2.79 85.09,2.79 84.84,3.05 84.84,5.46 83.82,6.48 81.92,6.48 80.64,5.21 80.64,3.17 80.39,2.92 77.98,2.92 77.72,3.17 77.72,4.95 77.47,5.21 75.69,5.21 75.44,5.46 75.44,8 75.18,8.26 74.04,8.26
NETCN1_8 on TOP (solid shape): 94.34,74.62 94.06,74.34 93.72,74.68 93.39,74.35 93.12,74.62 93.66,75.16 93.73,75.09 93.8,75.16
NETCN1_10 on TOP (solid shape): 92.56,74.62 92.28,74.34 91.94,74.68 91.61,74.35 91.34,74.62 91.88,75.16 91.95,75.09 92.02,75.16
NETCN1_14 on TOP (solid shape): 90.78,74.62 90.5,74.34 90.16,74.68 89.83,74.35 89.56,74.62 90.1,75.16 90.17,75.09 90.25,75.16
NETCN1_16 on TOP (solid shape): 89.01,74.62 88.72,74.34 88.39,74.68 88.05,74.35 87.78,74.62 88.32,75.16 88.39,75.09 88.47,75.16
NETCN2_1 on TOP (solid shape): 26.87,24.82 26.81,24.76 27.06,24.51 26.81,24.26 26.87,24.2 26.6,23.93 26.06,24.47 26.11,24.51 26.06,24.55 26.6,25.09
NETCN2_7 on TOP (solid shape): 26.87,15.55 26.81,15.49 27.06,15.24 26.81,14.99 26.87,14.93 26.6,14.66 26.06,15.2 26.11,15.24 26.06,15.28 26.6,15.82
NETCN2_7 on TOP (solid shape): 26.87,13.77 26.81,13.71 27.06,13.46 26.81,13.21 26.87,13.15 26.6,12.88 26.06,13.42 26.11,13.46 26.06,13.51 26.6,14.04
NETCN14_5 on BOTTOM (solid shape): 41.12,63.29 41.08,63.25 41.12,63.2 40.58,62.66 40.31,62.93 40.37,62.99 40.12,63.25 40.37,63.5 40.31,63.56 40.58,63.83
NETCN14_5 on BOTTOM (solid shape): 41.12,61.51 41.08,61.47 41.12,61.42 40.58,60.89 40.31,61.16 40.37,61.22 40.12,61.47 40.37,61.72 40.31,61.78 40.58,62.05
NETCN14_6 on BOTTOM (solid shape): 41.12,66.97 41.08,66.93 41.12,66.89 40.58,66.35 40.31,66.62 40.37,66.68 40.12,66.93 40.37,67.18 40.31,67.24 40.58,67.51
NETCN14_6 on BOTTOM (solid shape): 41.12,65.19 41.08,65.15 41.12,65.11 40.58,64.57 40.31,64.84 40.37,64.9 40.12,65.15 40.37,65.4 40.31,65.46 40.58,65.73
